# Altium PCB PASS Capstone.PcbDoc (part 1 of 6)
Units mil, origin at the board's own origin, x right, y up, seen from the top; angles counter-clockwise.
Board outline 9510 x 7745.39 mil, 2 copper layers (L1, L2), stack 62.756 mil thick; 838 components, 509 nets, 2130 pads, 378 vias.
Unrouted connection lines stored in the file: 795.
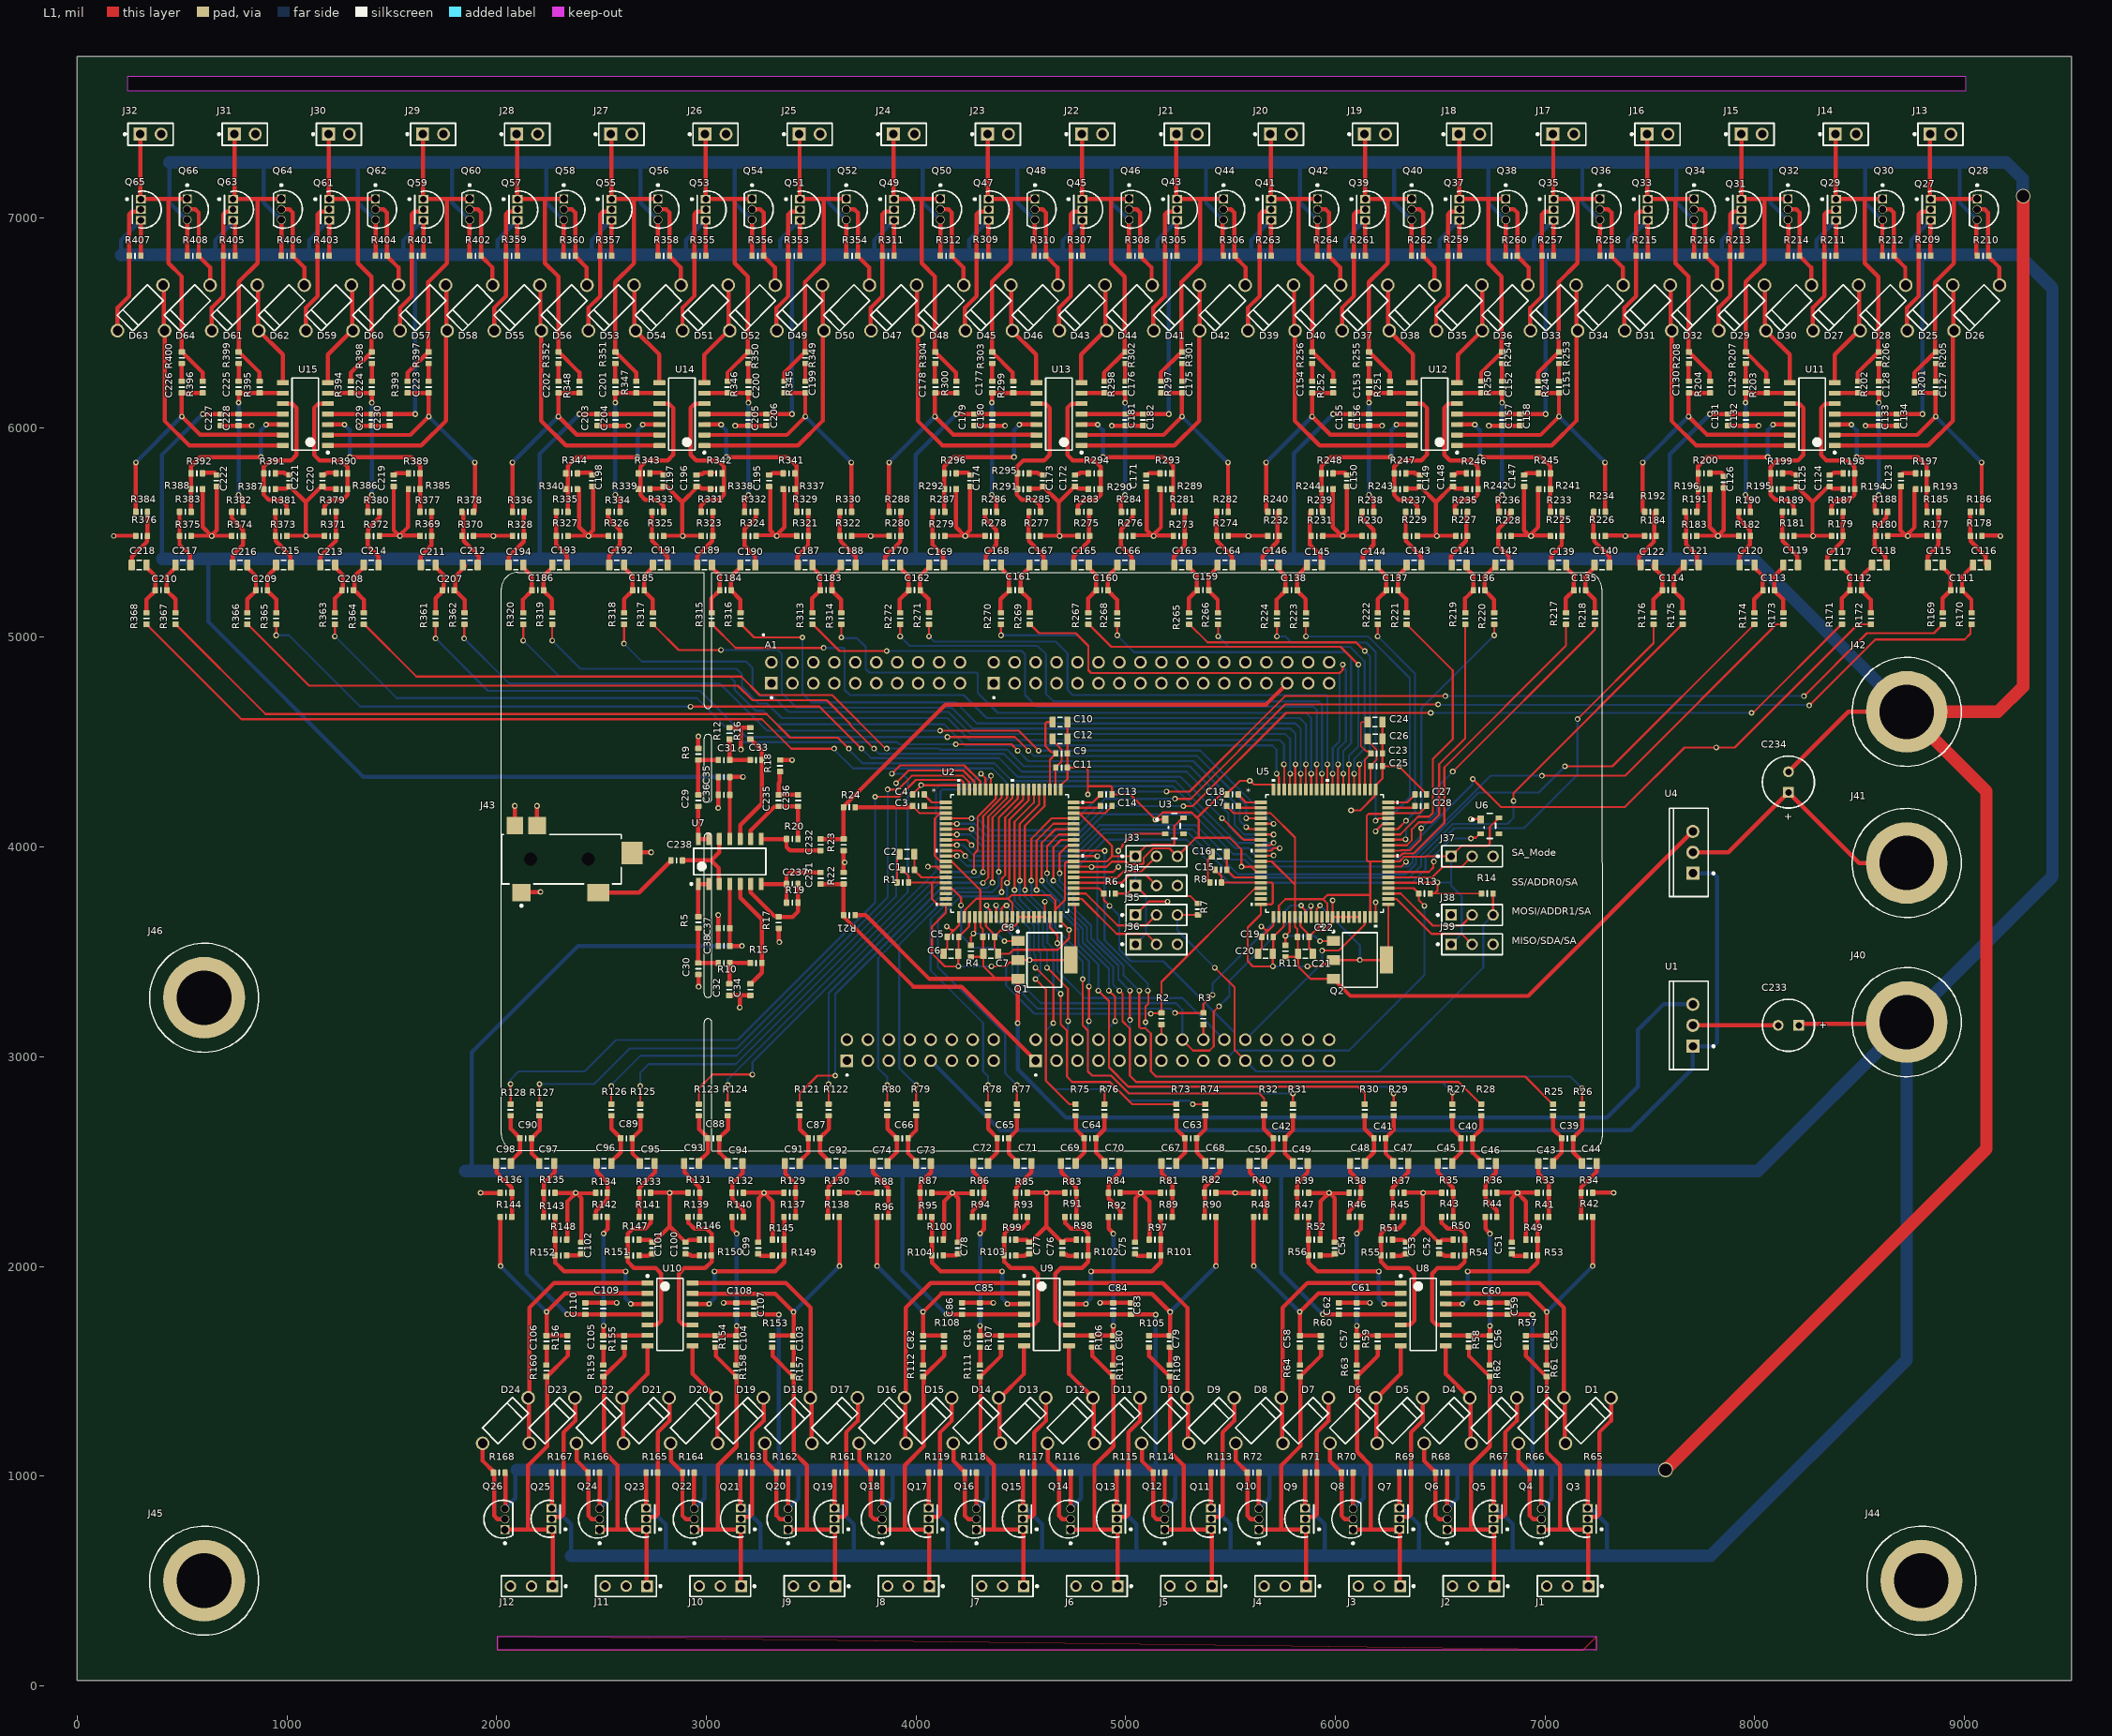
[diagram p0: L1 view]
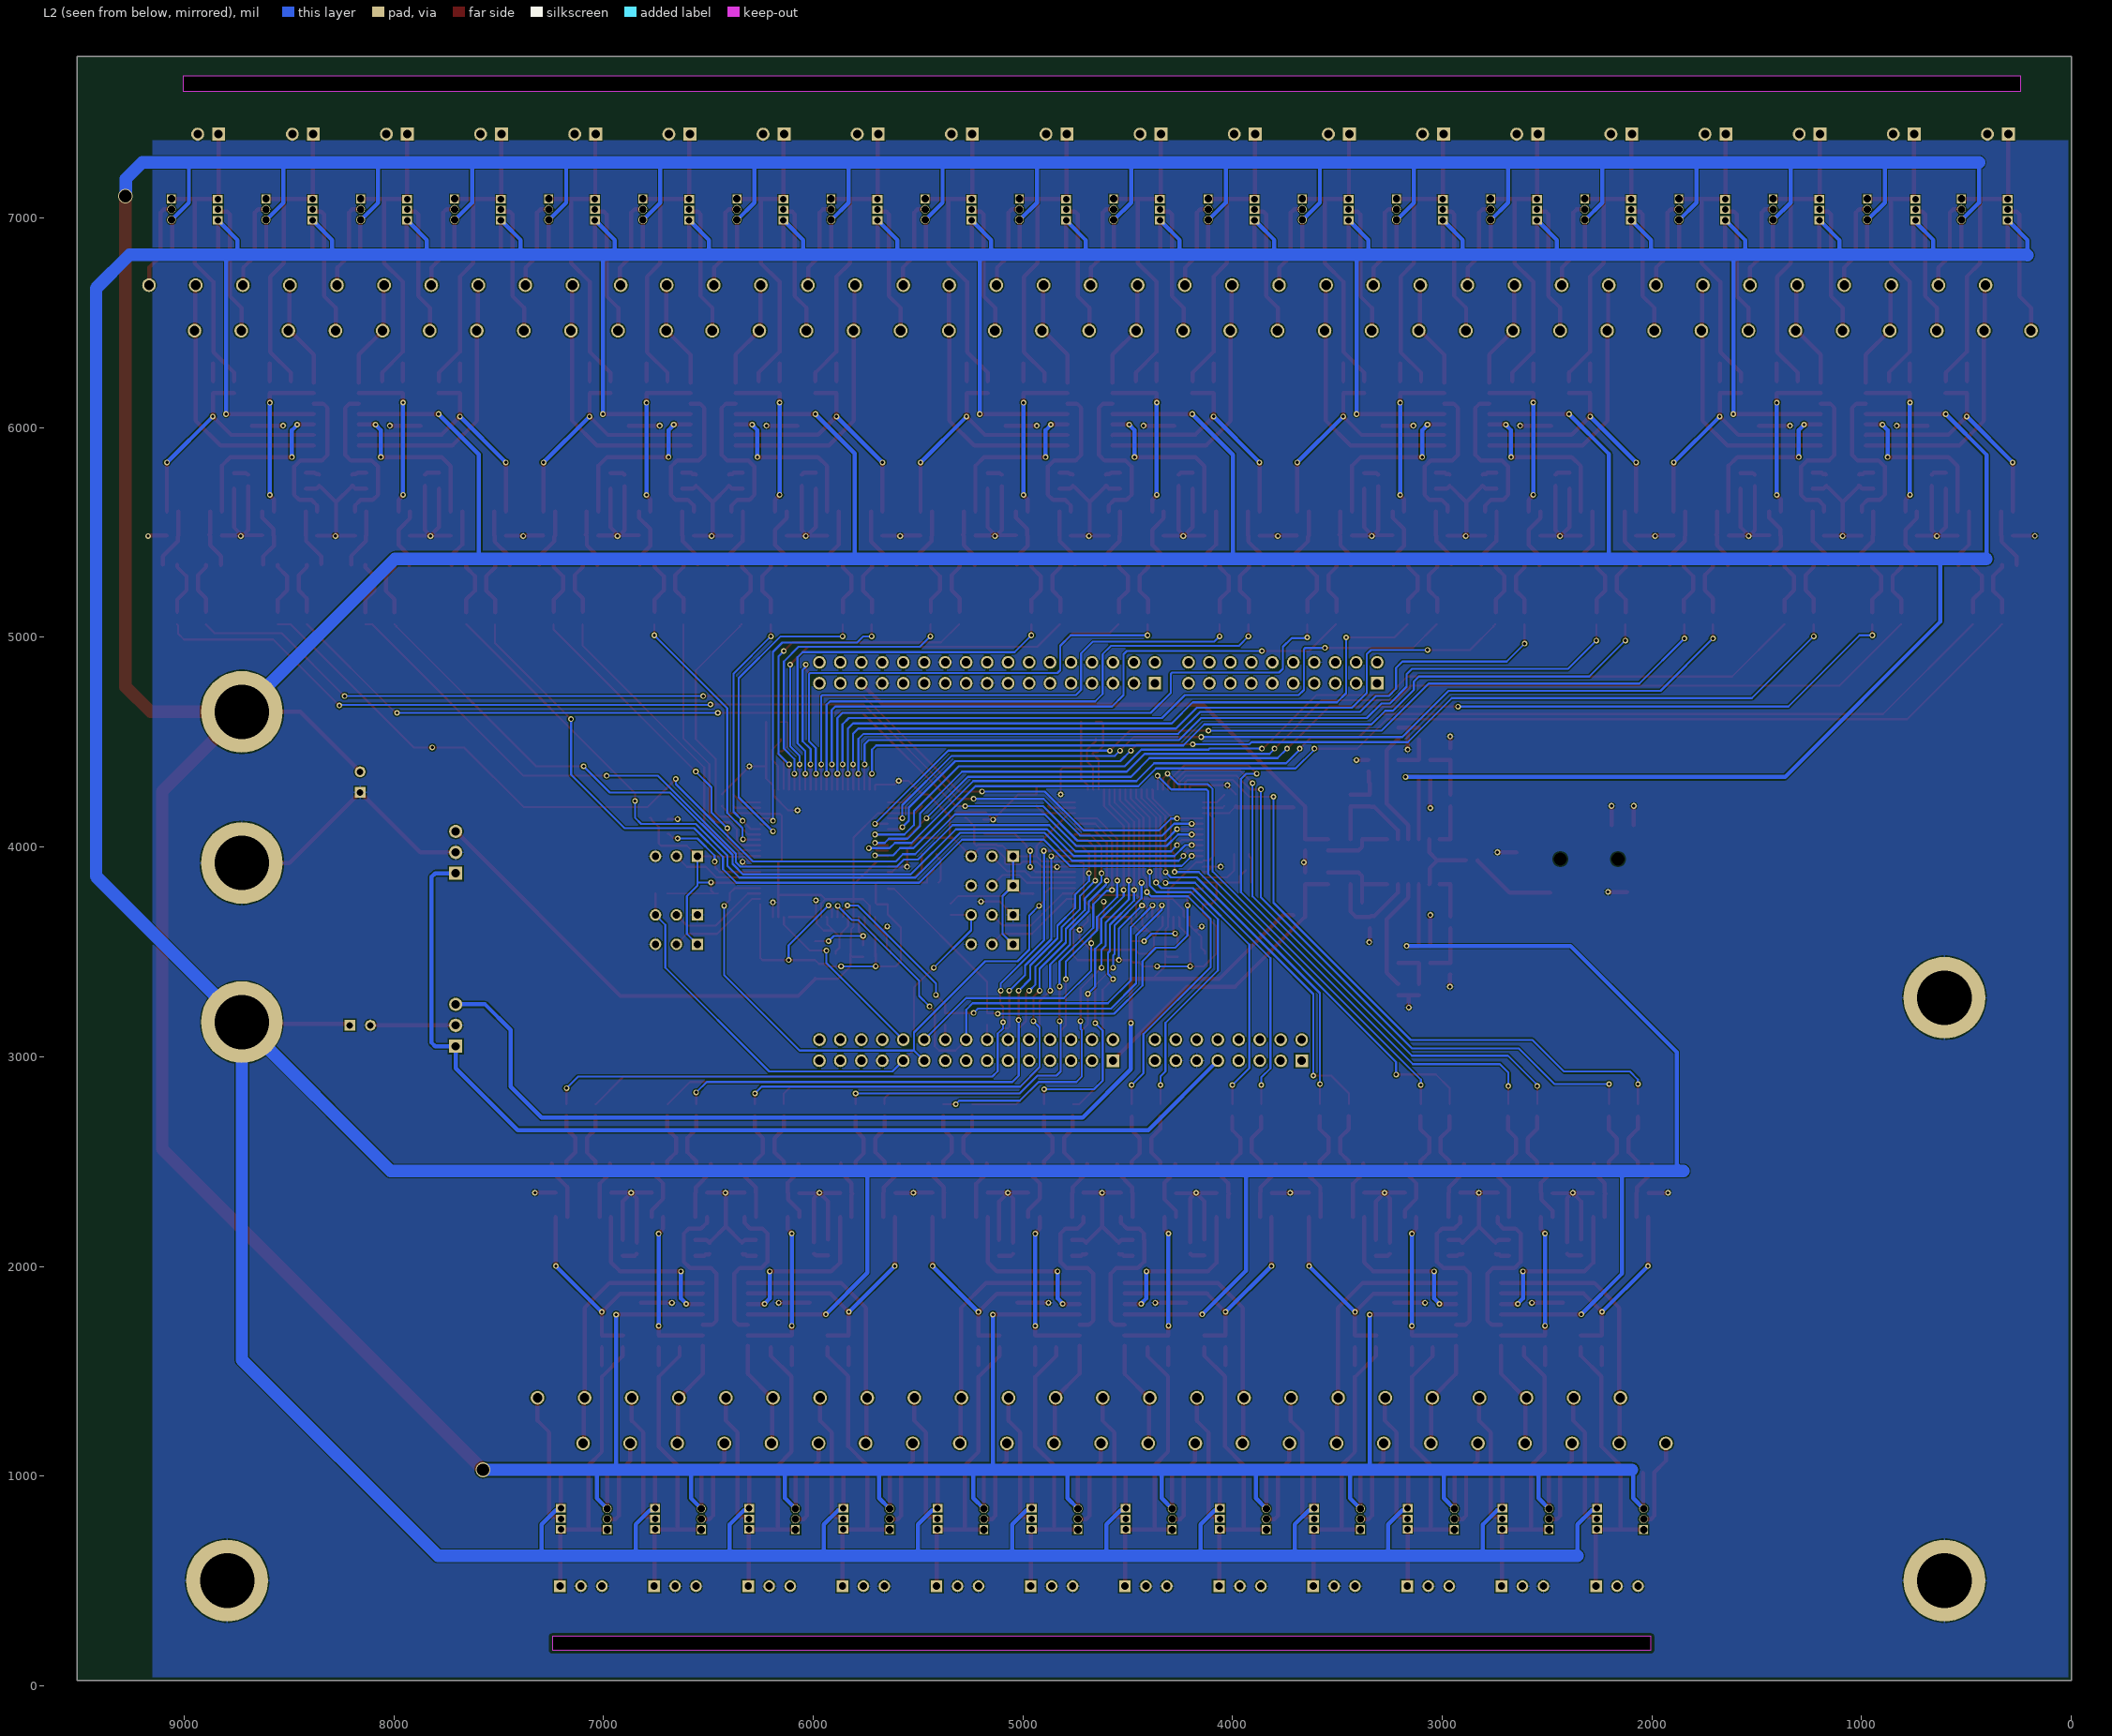
[diagram p1: L2 view, seen from below]

## Layer stack, top to bottom
Top Solder: solder mask 0.1, Solder Resist, Dk 1
L1: signal copper 1.378
Core: prepreg 60, FR-4, Dk 4.6
L2: signal copper 1.378
Bottom Solder: solder mask 0.1, Solder Resist, Dk 1

## Board outline
0,24.61 9510,24.61 9510,7770 0,7770
cut-out: 240,7605 240,7675.85 9005,7675.85 9005,7605
cut-out: 2005,170 2005,235 7245,235 7245,170

## Design rules (kind name [scope] priority, off if disabled: settings)
BoardOutlineClearance [All] p1: gap=15 ignorepadtopadclearanceinfootprint=FALSE
Clearance [All] p1: gap=6 ignorepadtopadclearanceinfootprint=FALSE except(0: Arc-Hole Track-Hole SMDPad-Hole THPad-Hole Via-Hole Fill-Hole Poly-Hole Region-Hole Text-Hole)
ComponentClearance [All] p1: gap=1 collisioncheckmode=3 verticalgap=1 showdistances=FALSE
DiffPairsRouting [All] p1: maxlimit=393.7 minlimit=6 mostfreqgap=8 toplayer_minwidth=6 toplayer_maxwidth=15 toplayer_prefwidth=8 bottomlayer_minwidth=6 bottomlayer_maxwidth=15 bottomlayer_prefwidth=8 substack1={30DD173A-3C0B-40C2-9000-862EB441C161} toplayer_{30dd173a-3c0b-40c2-9000-862eb441c161}_minwidth=15 toplayer_{30dd173a-3c0b-40c2-9000-862eb441c161}_maxwidth=15 toplayer_{30dd173a-3c0b-40c2-9000-862eb441c161}_prefwidth=15 bottomlayer_{30dd173a-3c0b-40c2-9000-862eb441c161}_minwidth=15 bottomlayer_{30dd173a-3c0b-40c2-9000-862eb441c161}_maxwidth=15 bottomlayer_{30dd173a-3c0b-40c2-9000-862eb441c161}_prefwidth=15 substack2={F25BAD63-EFA8-487D-9BD3-FB96E0CAAAE4} toplayer_{f25bad63-efa8-487d-9bd3-fb96e0caaae4}_minwidth=15 toplayer_{f25bad63-efa8-487d-9bd3-fb96e0caaae4}_maxwidth=15 toplayer_{f25bad63-efa8-487d-9bd3-fb96e0caaae4}_prefwidth=15 bottomlayer_{f25bad63-efa8-487d-9bd3-fb96e0caaae4}_minwidth=15 bottomlayer_{f25bad63-efa8-487d-9bd3-fb96e0caaae4}_maxwidth=15 bottomlayer_{f25bad63-efa8-487d-9bd3-fb96e0caaae4}_prefwidth=15 maxuncoupledlength=500
HoleSize [All] p1: absolutevalues=TRUE maxlimit=265 minlimit=13 maxpercent=80.000 minpercent=20.000
HoleToHoleClearance [All] p1: gap=10 allowstackedmicrovias=FALSE
MinimumAnnularRing [All] p1: minimumring=7
MinimumSolderMaskSliver [All] p1: minsoldermaskwidth=0
PlaneClearance [All] p1: clearance=10
PlaneConnect [All] p1: planeconnectstyle=Direct reliefexpansion=16 reliefentries=4 reliefconductorwidth=6 reliefairgap=6
PolygonConnect [All] p1: connectstyle=Relief reliefconductorwidth=8 reliefentries=4 polygonreliefangle="90 Angle" airgapwidth=6
RoutingCorners [All] p1: cornerstyle=45-Degree minsetback=49.21 maxsetback=49.21
RoutingVias [All] p1: holewidth=15 width=30 viastyle="Through Hole" minholewidth=13 minwidth=27 maxholewidth=100 maxwidth=114
SilkToSilkClearance [All] p1: silktosilkclearance=0
SilkToSolderMaskClearance [IsPad] p1: minsilkscreentomaskgap=6 clearancetoexposedcopper=TRUE
SolderMaskExpansion [All] p1: expansion=2.95 istentingtop=FALSE
Width [All] p1: maxlimit=400 minlimit=6 preferedwidth=8 substack1={30DD173A-3C0B-40C2-9000-862EB441C161} substack2={F25BAD63-EFA8-487D-9BD3-FB96E0CAAAE4}
20 further rules are at their usual default settings.

## Classes and differential pairs
component class Amps: C39 C40 C41 C42 C43 C44 C45 C46 C47 C48 C49 C50 C51 C52 C53 C54 C55 C56 C57 C58 C59 C60 C61 C62 C63 C64 C65 C66 C67 C68 C69 C70 C71 C72 C73 C74 C75 C76 C77 C78 C79 C80 C81 C82 C83 C84 C85 C86 C87 C88 C89 C90 C91 C92 C93 C94 C95 C96 C97 C98 C99 C100 C101 C102 C103 C104 C105 C106 C107 C108 C109 C110 C111 C112 C113 C114 C115 C116 C117 C118 C119 C120 C121 C122 C123 C124 C125 C126 C127 C128 C129 C130 C131 C132 C133 C134 C135 C136 C137 C138 C139 C140 C141 C142 C143 C144 C145 C146 C147 C148 C149 C150 C151 C152 C153 C154 C155 C156 C157 C158 C159 C160 C161 C162 C163 C164 C165 C166 C167 C168 C169 C170 C171 C172 C173 C174 C175 C176 C177 C178 C179 C180 C181 C182 C183 C184 C185 C186 C187 C188 C189 C190 C191 C192 C193 C194 C195 C196 C197 C198 C199 C200 C201 C202 C203 C204 C205 C206 C207 C208 C209 C210 C211 C212 C213 C214 C215 C216 C217 C218 C219 C220 C221 C222 C223 C224 C225 C226 C227 C228 C229 C230 D1 D2 D3 D4 D5 D6 D7 D8 D9 D10 D11 D12 D13 D14 D15 D16 D17 D18 D19 D20 D21 D22 D23 D24 D25 D26 D27 D28 D29 D30 D31 D32 D33 D34 D35 D36 D37 D38 D39 D40 D41 D42 D43 D44 D45 D46 D47 D48 D49 D50 D51 D52 D53 D54 D55 D56 D57 D58 D59 D60 D61 D62 D63 D64 Q3 Q4 Q5 Q6 Q7 Q8 Q9 Q10 Q11 Q12 Q13 Q14 Q15 Q16 Q17 Q18 Q19 Q20 Q21 Q22 Q23 Q24 Q25 Q26 Q27 Q28 Q29 Q30 Q31 Q32 Q33 Q34 Q35 Q36 Q37 Q38 Q39 Q40 Q41 Q42 Q43 Q44 Q45 Q46 Q47 Q48 Q49 Q50 Q51 Q52 Q53 Q54 Q55 Q56 Q57 Q58 Q59 Q60 Q61 Q62 Q63 Q64 Q65 Q66 R25 R26 R27 R28 R29 R30 R31 R32 R33 R34 R35 R36 R37 R38 R39 R40 R41 R42 R43 R44 R45 R46 R47 R48 R49 R50 R51 R52 R53 R54 R55 R56 R57 R58 R59 R60 R61 R62 R63 R64 R65 R66 R67 R68 R69 R70 R71 R72 R73 R74 R75 R76 R77 R78 R79 R80 R81 R82 R83 R84 R85 R86 R87 R88 R89 R90 R91 R92 R93 R94 R95 R96 R97 R98 R99 R100 R101 R102 R103 R104 R105 R106 R107 R108 R109 R110 R111 R112 R113 R114 R115 R116 R117 R118 R119 R120 R121 R122 R123 R124 R125 R126 R127 R128 R129 R130 R131 R132 R133 R134 R135 R136 R137 R138 R139 R140 R141 R142 R143 R144 R145 R146 R147 R148 R149 R150 R151 R152 R153 R154 R155 R156 R157 R158 R159 R160 R161 R162 R163 R164 R165 R166 R167 R168 R169 R170 R171 R172 R173 R174 R175 R176 R177 R178 R179 R180 R181 R182 R183 R184 R185 R186 R187 R188 R189 R190 R191 R192 R193 R194 R195 R196 R197 R198 R199 R200 R201 R202 R203 R204 R205 R206 R207 R208 R209 R210 R211 R212 R213 R214 R215 R216 R217 R218 R219 R220 R221 R222 R223 R224 R225 R226 R227 R228 R229 R230 R231 R232 R233 R234 R235 R236 R237 R238 R239 R240 R241 R242 R243 R244 R245 R246 R247 R248 R249 R250 R251 R252 R253 R254 R255 R256 R257 R258 R259 R260 R261 R262 R263 R264 R265 R266 R267 R268 R269 R270 R271 R272 R273 R274 R275 R276 R277 R278 R279 R280 R281 R282 R283 R284 R285 R286 R287 R288 R289 R290 R291 R292 R293 R294 R295 R296 R297 R298 R299 R300 R301 R302 R303 R304 R305 R306 R307 R308 R309 R310 R311 R312 R313 R314 R315 R316 R317 R318 R319 R320 R321 R322 R323 R324 R325 R326 R327 R328 R329 R330 R331 R332 R333 R334 R335 R336 R337 R338 R339 R340 R341 R342 R343 R344 R345 R346 R347 R348 R349 R350 R351 R352 R353 R354 R355 R356 R357 R358 R359 R360 R361 R362 R363 R364 R365 R366 R367 R368 R369 R370 R371 R372 R373 R374 R375 R376 R377 R378 R379 R380 R381 R382 R383 R384 R385 R386 R387 R388 R389 R390 R391 R392 R393 R394 R395 R396 R397 R398 R399 R400 R401 R402 R403 R404 R405 R406 R407 R408 U8 U9 U10 U11 U12 U13 U14 U15
component class IO: C29 C30 C31 C32 C33 C34 C35 C36 C37 C38 C231 C232 C233 C234 C235 C236 C237 C238 J1 J2 J3 J4 J5 J6 J7 J8 J9 J10 J11 J12 J13 J14 J15 J16 J17 J18 J19 J20 J21 J22 J23 J24 J25 J26 J27 J28 J29 J30 J31 J32 J40 J41 J42 J43 R5 R9 R10 R12 R15 R16 R17 R18 R19 R20 R21 R22 R23 R24 U7
component class NUCLEO: A1 R2 R3
component class DAC: C1 C2 C3 C4 C5 C6 C7 C8 C9 C10 C11 C12 C13 C14 C15 C16 C17 C18 C19 C20 C21 C22 C23 C24 C25 C26 C27 C28 J33 J34 J35 J36 J37 J38 J39 Q1 Q2 R1 R4 R6 R7 R8 R11 R13 R14 U1 U2 U3 U4 U5 U6

## Components (designator, comment, footprint, x,y, rotation, side; value= is the part's Value field where it differs from the comment)
A1 "NUCLEO-F746ZG" MODULE_NUCLEO-F746ZG 4645.78,3931.22 r90 top locked
C1 "Capacitor 2.2nF 0603,, 6V" CAPC0603(1608)100_L 3964.63,3891.22 r0 top value=2.2nF
C2 "Capacitor 39nF 0805, 6V" CAPC0805(2012)145_L 3957.15,3966.22 r0 top value=39nF
C3 ", 6V" CAPC0603(1608)100_L 4012.07,4196.22 r180 top value=470nF
C4 "Capacitor 470nF 0603, 6V" CAPC0603(1608)100_L 4012.07,4251.22 r180 top value=470nF
C5 "Capacitor 100nF 0603, 6V" CAPC0603(1608)100_L 4176.64,3571.22 r0 top value=100nF
C6 "Capacitor 10µF 0805, 6V" CAPC0805(2012)145_L 4167.07,3491.22 r0 top value=10µF
C7 "Capacitor 10µF 0805, 6V" CAPC0805(2012)145_L 4357.07,3491.22 r0 top value=10µF
C8 "Capacitor 100nF 0603, 6V" CAPC0603(1608)100_L 4347.11,3571.22 r180 top value=100nF
C9 "Capacitor 100nF 0603, 6V" CAPC0603(1608)100_L 4694.51,4446.22 r180 top value=100nF
C10 "Capacitor 10µF 0805, 6V" CAPC0805(2012)145_L 4686.64,4596.22 r180 top value=10µF
C11 "Capacitor 100nF 0603, 6V" CAPC0603(1608)100_L 4694.51,4379.07 r180 top value=100nF
C12 "Capacitor 10µF 0805, 6V" CAPC0805(2012)145_L 4687.03,4516.22 r0 top value=10µF
C13 "Capacitor 470nF 0603, 6V" CAPC0603(1608)100_L 4907.23,4251.22 r0 top value=470nF
C14 "Capacitor 470nF 0603, 6V" CAPC0603(1608)100_L 4907.23,4196.22 r0 top value=470nF
C15 "Capacitor 2.2nF 0603, 6V" CAPC0603(1608)100_L 5454.63,3891.22 r0 top value=2.2nF
C16 "Capacitor 39nF 0805, 6V" CAPC0805(2012)145_L 5447.03,3966.22 r0 top value=39nF
C17 "Capacitor 470nF +/-20% 25V 0603, 6V" CAPC0603(1608)100_L 5509.51,4196.22 r180 top value=470nF
C18 "Capacitor 470nF +/-20% 25V 0603, 6V" CAPC0603(1608)100_L 5509.51,4251.22 r180 top value=470nF
C19 "Capacitor 100nF 0603, 6V" CAPC0603(1608)100_L 5676.6,3571.22 r0 top value=100nF
C20 "Capacitor 10µF 0805, 6V" CAPC0805(2012)145_L 5667.07,3491.22 r0 top value=10µF
C21 "Capacitor 10µF 0805, 6V" CAPC0805(2012)145_L 5857.07,3491.22 r180 top value=10µF
C22 "Capacitor 100nF 0603, 6V" CAPC0603(1608)100_L 5847.07,3571.22 r180 top value=100nF
C23 "Capacitor 100nF 0603, 6V" CAPC0603(1608)100_L 6197.07,4446.22 r180 top value=100nF
C24 "Capacitor 10µF 0805, 6V" CAPC0805(2012)145_L 6189.2,4596.22 r180 top value=10µF
C25 "Capacitor 100nF 0603" CAPC0603(1608)100_L 6197.07,4386.22 r180 top value=100nF
C26 "Capacitor 10µF 0805, 6V" CAPC0805(2012)145_L 6189.59,4516.22 r0 top value=10µF
C27 "Capacitor 470nF 0603, 6V" CAPC0603(1608)100_L 6407.07,4251.22 r0 top value=470nF
C28 "Capacitor 470nF 0603, 6V" CAPC0603(1608)100_L 6407.07,4196.22 r0 top value=470nF
C29 "Capacitor 8nF 0603, 12V" CAPC0603(1608)100_L 2962.07,4221.68 r90 top value=10nF
C30 "Capacitor 1nF 0603, 12V" CAPC0603(1608)100_L 2962.07,3419.62 r270 top value=1nF
C31 "Capacitor 8nF 0603, 12V" CAPC0603(1608)100_L 3084.51,4415.26 r0 top value=10nF
C32 "Capacitor 1nF 0603, 12V" CAPC0603(1608)100_L 3110,3320 r270 top value=1nF
C33 "Capacitor 10nF 0603, 12V" CAPC0603(1608)100_L 3237.56,4415.26 r0 top value=10nF
C34 "Capacitor 1nF 0603, 12V" CAPC0603(1608)100_L 3210,3320 r270 top value=1nF
C35 "Capacitor 2.2uF 0603" CAPC0603(1608)100_L 3084.51,4334.24 r180 top value=2.2uF
C36 "Capacitor 100nF 0603" CAPC0603(1608)100_L 3084.51,4249.24 r180 top value=100nF
C37 "Capacitor 100nF 0603" CAPC0603(1608)100_L 3084.51,3613.2 r180 top value=100nF
C38 "Capacitor 2.2uF 0603" CAPC0603(1608)100_L 3084.51,3528.2 r180 top value=2.2uF
C39 "Capacitor 2.7nF 0603" CAPC0603(1608)100_L 7107.07,2611.22 r0 top value=2.7nF
C40 "Capacitor 2.7nF 0603" CAPC0603(1608)100_L 6627.07,2611.22 r0 top value=2.7nF
C41 "Capacitor 2.7nF 0603" CAPC0603(1608)100_L 6212.07,2611.22 r180 top value=2.7nF
C42 "Capacitor 2.7nF 0603" CAPC0603(1608)100_L 5732.07,2611.22 r180 top value=2.7nF
C43 "Capacitor 10µF +/-20% 25V 0805" CAPC0805(2012)145_L 7002.9,2491.22 r180 top value=10µF
C44 "Capacitor 10µF +/-20% 25V 0805" CAPC0805(2012)145_L 7211.68,2491.22 r0 top value=10µF
C45 "Capacitor 10µF +/-20% 25V 0805" CAPC0805(2012)145_L 6522.85,2491.22 r180 top value=10µF
C46 "Capacitor 10µF +/-20% 25V 0805" CAPC0805(2012)145_L 6730.85,2491.22 r0 top value=10µF
C47 "Capacitor 10µF +/-20% 25V 0805" CAPC0805(2012)145_L 6312.19,2491.22 r0 top value=10µF
C48 "Capacitor 10µF +/-20% 25V 0805" CAPC0805(2012)145_L 6105.29,2491.22 r180 top value=10µF
C49 "Capacitor 10µF +/-20% 25V 0805" CAPC0805(2012)145_L 5832.85,2491.22 r0 top value=10µF
C50 "Capacitor 10µF +/-20% 25V 0805" CAPC0805(2012)145_L 5626.34,2491.22 r180 top value=10µF
C51 "Capacitor 47nF 0603" CAPC0603(1608)100_L 6841.67,2087.57 r270 top value=47nF
C52 "Capacitor 47nF 0603" CAPC0603(1608)100_L 6494.82,2087.57 r270 top value=47nF
C53 "Capacitor 47nF 0603" CAPC0603(1608)100_L 6337.07,2087.57 r270 top value=47nF
C54 "Capacitor 47nF 0603" CAPC0603(1608)100_L 5997.47,2087.57 r270 top value=47nF
C55 "Capacitor 47nF 0603" CAPC0603(1608)100_L 7008.13,1642.47 r270 top value=47nF
C56 "Capacitor 47nF 0603" CAPC0603(1608)100_L 6737.07,1642.47 r270 top value=47nF
C57 "Capacitor 47nF 0603" CAPC0603(1608)100_L 6101.93,1642.47 r270 top value=47nF
C58 "Capacitor 47nF 0603" CAPC0603(1608)100_L 5830.86,1642.47 r270 top value=47nF
C59 "Capacitor 2.2uF 0603" CAPC0603(1608)100_L 6822.07,1798.78 r90 top value=2.2uF
C60 "Capacitor 100nF 0603" CAPC0603(1608)100_L 6737.07,1798.78 r90 top value=100nF
C61 "Capacitor 100nF 0603" CAPC0603(1608)100_L 6101.93,1798.78 r90 top value=100nF
C62 "Capacitor 2.2uF 0603" CAPC0603(1608)100_L 6016.93,1798.78 r90 top value=2.2uF
C63 "Capacitor 2.7nF 0603" CAPC0603(1608)100_L 5310.17,2611.22 r0 top value=2.7nF
C64 "Capacitor 2.7nF 0603" CAPC0603(1608)100_L 4830.17,2611.22 r0 top value=2.7nF
C65 "Capacitor 2.7nF 0603" CAPC0603(1608)100_L 4415.17,2611.22 r180 top value=2.7nF
C66 "Capacitor 2.7nF 0603" CAPC0603(1608)100_L 3935.17,2611.22 r180 top value=2.7nF
C67 "Capacitor 10µF +/-20% 25V 0805" CAPC0805(2012)145_L 5205.99,2491.22 r180 top value=10µF
C68 "Capacitor 10µF +/-20% 25V 0805" CAPC0805(2012)145_L 5414.77,2491.22 r0 top value=10µF
C69 "Capacitor 10µF +/-20% 25V 0805" CAPC0805(2012)145_L 4725.95,2491.22 r180 top value=10µF
C70 "Capacitor 10µF +/-20% 25V 0805" CAPC0805(2012)145_L 4933.95,2491.22 r0 top value=10µF
C71 "Capacitor 10µF +/-20% 25V 0805" CAPC0805(2012)145_L 4515.29,2491.22 r0 top value=10µF
C72 "Capacitor 10µF +/-20% 25V 0805" CAPC0805(2012)145_L 4308.38,2491.22 r180 top value=10µF
C73 "Capacitor 10µF +/-20% 25V 0805" CAPC0805(2012)145_L 4035.95,2491.22 r0 top value=10µF
C74 "Capacitor 10µF +/-20% 25V 0805" CAPC0805(2012)145_L 3829.43,2491.22 r180 top value=10µF
C75 "Capacitor 47nF 0603" CAPC0603(1608)100_L 5044.82,2087.57 r270 top value=47nF
C76 "Capacitor 47nF 0603" CAPC0603(1608)100_L 4697.97,2087.57 r270 top value=47nF
C77 "Capacitor 47nF 0603" CAPC0603(1608)100_L 4540.22,2087.57 r270 top value=47nF
C78 "Capacitor 47nF 0603" CAPC0603(1608)100_L 4200.62,2087.57 r270 top value=47nF
C79 "Capacitor 47nF 0603" CAPC0603(1608)100_L 5211.28,1642.47 r270 top value=47nF
C80 "Capacitor 47nF 0603" CAPC0603(1608)100_L 4940.22,1642.47 r270 top value=47nF
C81 "Capacitor 47nF 0603" CAPC0603(1608)100_L 4305.08,1642.47 r270 top value=47nF
C82 "Capacitor 47nF 0603" CAPC0603(1608)100_L 4034.01,1642.47 r270 top value=47nF
C83 "Capacitor 2.2uF 0603" CAPC0603(1608)100_L 5025.22,1798.78 r90 top value=2.2uF
C84 "Capacitor 100nF 0603" CAPC0603(1608)100_L 4940.22,1798.78 r90 top value=100nF
C85 "Capacitor 100nF 0603" CAPC0603(1608)100_L 4305.08,1798.78 r90 top value=100nF
C86 "Capacitor 2.2uF 0603" CAPC0603(1608)100_L 4220.08,1798.78 r90 top value=2.2uF
C87 "Capacitor 2.7nF 0603" CAPC0603(1608)100_L 3513.71,2611.22 r0 top value=2.7nF
C88 "Capacitor 2.7nF 0603" CAPC0603(1608)100_L 3033.71,2611.22 r0 top value=2.7nF
C89 "Capacitor 2.7nF 0603" CAPC0603(1608)100_L 2618.71,2611.22 r180 top value=2.7nF
C90 "Capacitor 2.7nF 0603" CAPC0603(1608)100_L 2138.71,2611.22 r180 top value=2.7nF
C91 "Capacitor 10µF +/-20% 25V 0805" CAPC0805(2012)145_L 3409.54,2491.22 r180 top value=10µF
C92 "Capacitor 10µF +/-20% 25V 0805" CAPC0805(2012)145_L 3618.32,2491.22 r0 top value=10µF
C93 "Capacitor 10µF +/-20% 25V 0805" CAPC0805(2012)145_L 2929.5,2491.22 r180 top value=10µF
C94 "Capacitor 10µF +/-20% 25V 0805" CAPC0805(2012)145_L 3137.49,2491.22 r0 top value=10µF
C95 "Capacitor 10µF +/-20% 25V 0805" CAPC0805(2012)145_L 2718.49,2491.22 r0 top value=10µF
C96 "Capacitor 10µF +/-20% 25V 0805" CAPC0805(2012)145_L 2511.93,2491.22 r180 top value=10µF
C97 "Capacitor 10µF +/-20% 25V 0805" CAPC0805(2012)145_L 2239.49,2491.22 r0 top value=10µF
C98 "Capacitor 10µF +/-20% 25V 0805" CAPC0805(2012)145_L 2032.98,2491.22 r180 top value=10µF
C99 "Capacitor 47nF 0603" CAPC0603(1608)100_L 3247.97,2087.57 r270 top value=47nF
C100 "Capacitor 47nF 0603" CAPC0603(1608)100_L 2901.12,2087.57 r270 top value=47nF
C101 "Capacitor 47nF 0603" CAPC0603(1608)100_L 2743.37,2087.57 r270 top value=47nF
C102 "Capacitor 47nF 0603" CAPC0603(1608)100_L 2403.77,2087.57 r270 top value=47nF
C103 "Capacitor 47nF 0603" CAPC0603(1608)100_L 3414.43,1642.47 r270 top value=47nF
C104 "Capacitor 47nF 0603" CAPC0603(1608)100_L 3143.37,1642.47 r270 top value=47nF
C105 "Capacitor 47nF 0603" CAPC0603(1608)100_L 2508.23,1642.47 r270 top value=47nF
C106 "Capacitor 47nF 0603" CAPC0603(1608)100_L 2237.16,1642.47 r270 top value=47nF
C107 "Capacitor 2.2uF 0603" CAPC0603(1608)100_L 3228.37,1798.78 r90 top value=2.2uF
C108 "Capacitor 100nF 0603" CAPC0603(1608)100_L 3143.37,1798.78 r90 top value=100nF
C109 "Capacitor 100nF 0603" CAPC0603(1608)100_L 2508.23,1798.78 r90 top value=100nF
C110 "Capacitor 2.2uF 0603" CAPC0603(1608)100_L 2423.23,1798.78 r90 top value=2.2uF
C111 "Capacitor 2.7nF 0603" CAPC0603(1608)100_L 8962.44,5225 r0 top value=2.7nF
C112 "Capacitor 2.7nF 0603" CAPC0603(1608)100_L 8482.44,5225 r0 top value=2.7nF
C113 "Capacitor 2.7nF 0603" CAPC0603(1608)100_L 8067.44,5225 r180 top value=2.7nF
C114 "Capacitor 2.7nF 0603" CAPC0603(1608)100_L 7587.44,5225 r180 top value=2.7nF
C115 "Capacitor 10µF +/-20% 25V 0805" CAPC0805(2012)145_L 8861.66,5345 r180 top value=10µF
C116 "Capacitor 10µF +/-20% 25V 0805" CAPC0805(2012)145_L 9076.13,5345 r0 top value=10µF
C117 "Capacitor 10µF +/-20% 25V 0805" CAPC0805(2012)145_L 8382.66,5345 r180 top value=10µF
C118 "Capacitor 10µF +/-20% 25V 0805" CAPC0805(2012)145_L 8595.3,5345 r0 top value=10µF